# Altium PCB VALVEBOARD_Kun.PcbDoc (part 7 of 13)
Units mil, origin at the board's own origin, x right, y up, seen from the top; angles counter-clockwise.
Board outline 10923.41 x 5583.88 mil, 2 copper layers (Top Layer, Bottom Layer), stack 10.8 mil thick; 1127 components, 626 nets, 3503 pads, 1418 vias.
Unrouted connection lines stored in the file: 1.
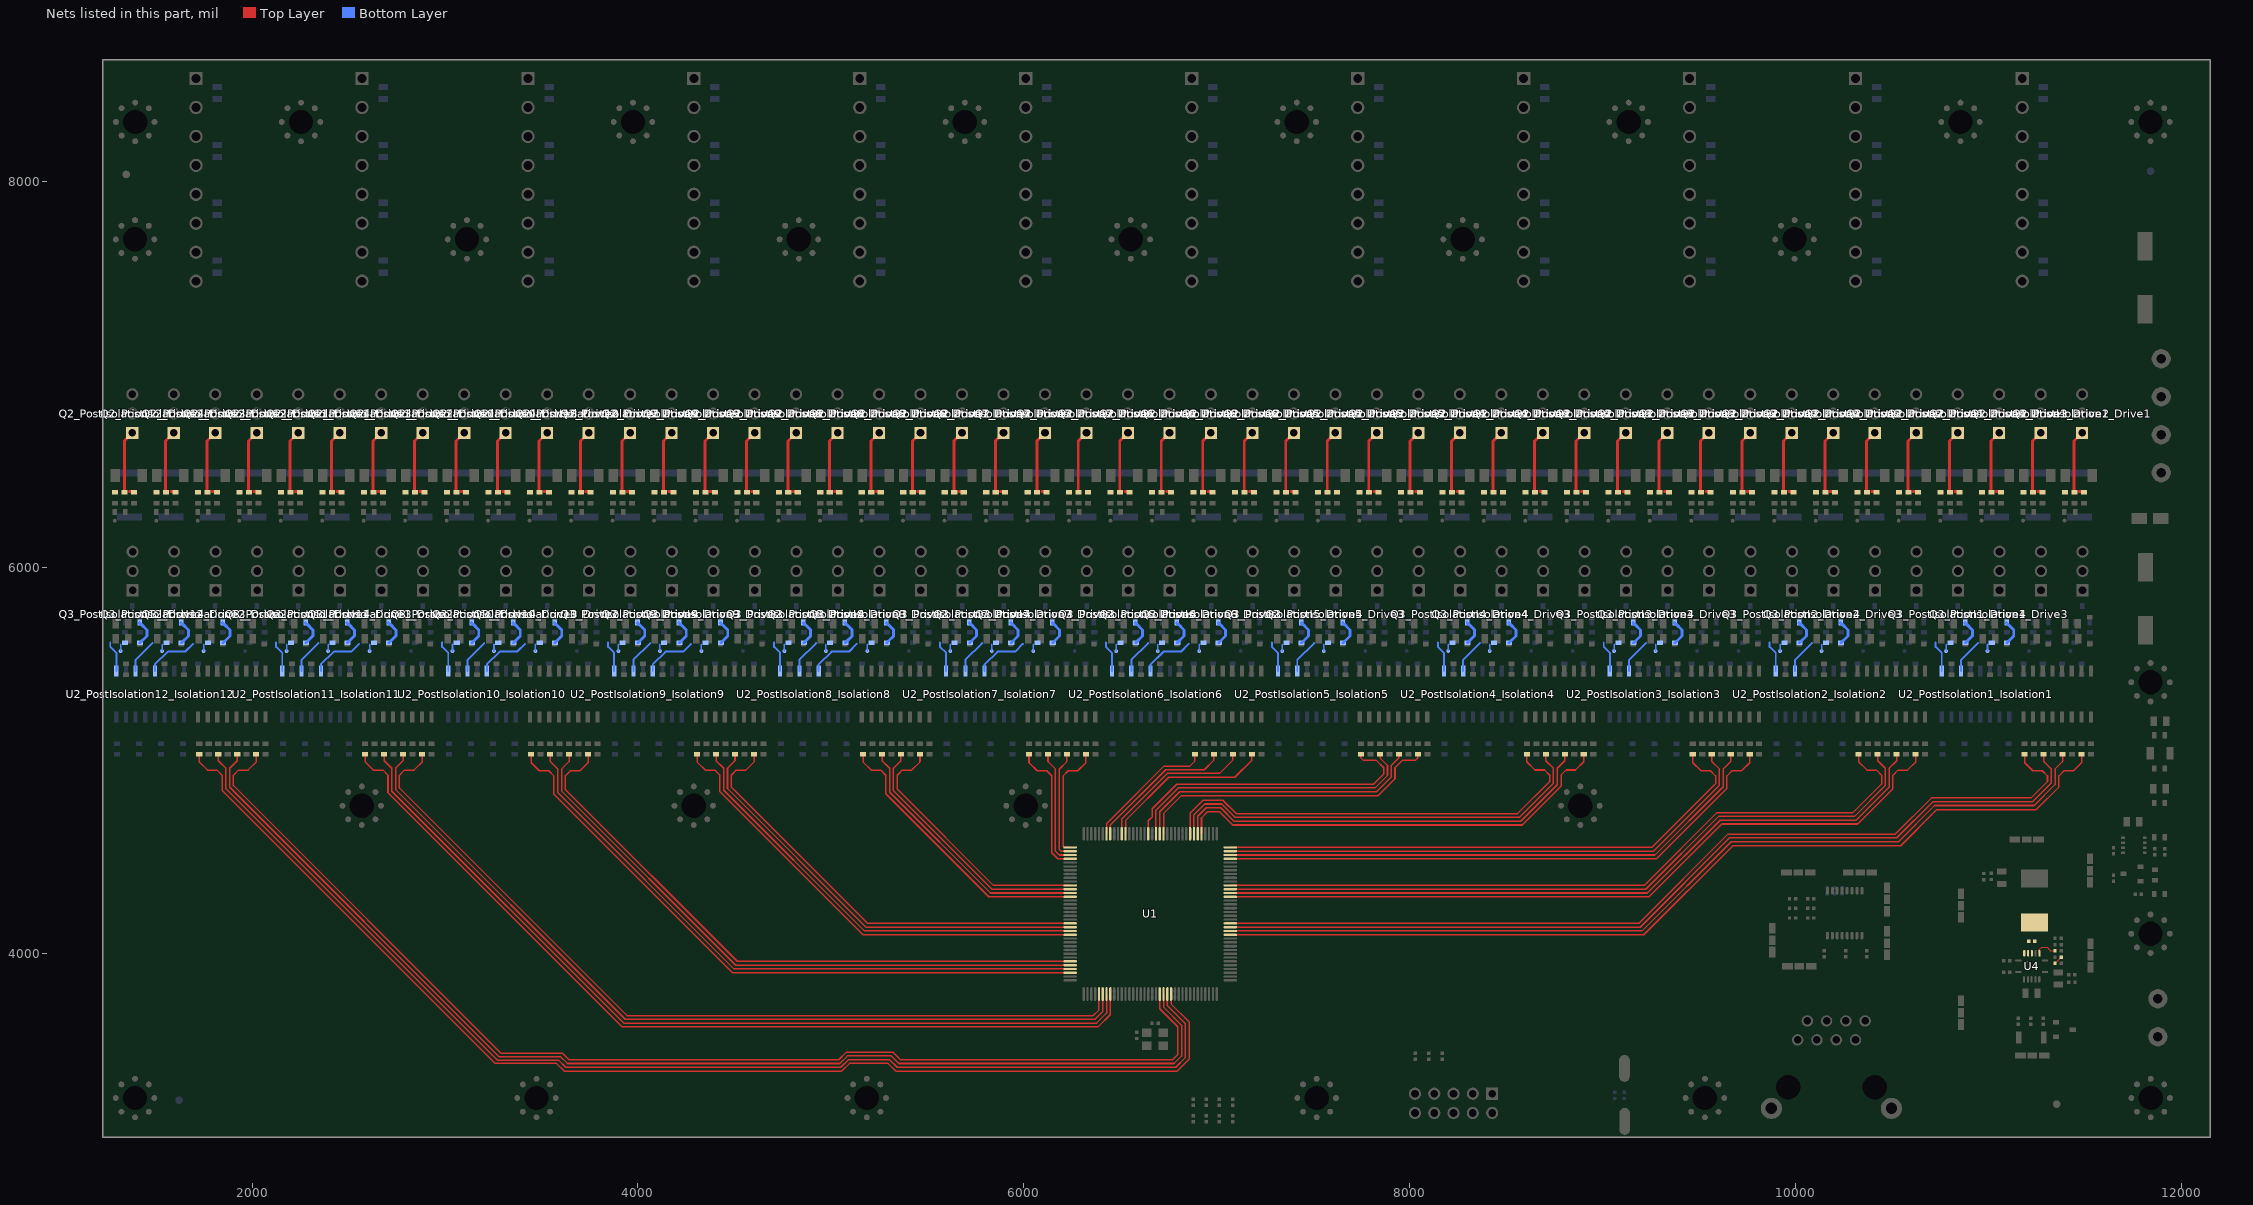
[diagram p7: the nets of this part, all layers, seen from the top]

## Via types
v1: diameter 19.68, hole 11.81, Top Layer to Bottom Layer, tented both sides, 1364 vias
v2: diameter 19.68, hole 11.81, Top Layer to Bottom Layer, 54 vias

## Nets (pads, with @x,y where several pads share a name; then routed paths per layer and width w, separated by ;. In a path a pad name is that pad's centre, name@x,y a point inside that pad or via, vN(x,y) a via of type N, cw(c..) or ccw(c..) an arc to the next point about the centre after c; other vN are vias at no path point) (continued)
IUO2_PostIsolation6: C28_PostIsolation6_Drive2.2 pad.@6909.06,5567.29 Q3_PostIsolation6_Drive2.G R28_PostIsolation6_Drive2.2 U2_PostIsolation6_Isolation6.13 | length 450
  Bottom Layer w8: pad.@6909.06,5567.29 6909.06,5603.12
  Bottom Layer w10: U2_PostIsolation6_Isolation6.13@6656.87,5462.99 6656.87,5497.7 6723.76,5564.59 6815.25,5564.59 ; 6814.96,5564.88 6854.99,5604.92
  Bottom Layer w15: Q3_PostIsolation6_Drive2.G@7007.94,5714.42 7007.94,5710.48 7012.25,5706.17 7016.19,5706.17 7045.34,5677.02 7045.34,5645.62 7014.21,5614.5 C28_PostIsolation6_Drive2.2@7009.9,5610.18
IUO2_PostIsolation7: C28_PostIsolation7_Drive2.2 pad.@6049,5567.29 Q3_PostIsolation7_Drive2.G R28_PostIsolation7_Drive2.2 U2_PostIsolation7_Isolation7.13 | length 450
  Bottom Layer w8: pad.@6049,5567.29 6049,5603.12
  Bottom Layer w10: U2_PostIsolation7_Isolation7.13@5796.81,5462.99 5796.81,5497.7 5863.7,5564.59 5955.19,5564.59 5995.23,5604.62
  Bottom Layer w15: Q3_PostIsolation7_Drive2.G@6147.88,5714.42 6147.88,5710.48 6152.19,5706.17 6156.13,5706.17 6185.28,5677.02 6185.28,5645.62 6154.15,5614.5 C28_PostIsolation7_Drive2.2@6149.84,5610.18
IUO2_PostIsolation8: C28_PostIsolation8_Drive2.2 pad.@5188.94,5567.29 Q3_PostIsolation8_Drive2.G R28_PostIsolation8_Drive2.2 U2_PostIsolation8_Isolation8.13 | length 450
  Bottom Layer w8: pad.@5188.94,5567.29 5188.94,5603.12
  Bottom Layer w10: U2_PostIsolation8_Isolation8.13@4936.75,5462.99 4936.75,5497.7 5003.64,5564.59 5095.13,5564.59 ; 5094.83,5564.88 5134.87,5604.92
  Bottom Layer w15: Q3_PostIsolation8_Drive2.G@5287.82,5714.42 5287.82,5710.48 5292.13,5706.17 5296.06,5706.17 5325.22,5677.02 5325.22,5645.62 5294.09,5614.5 C28_PostIsolation8_Drive2.2@5289.78,5610.18
IUO2_PostIsolation9: C28_PostIsolation9_Drive2.2 pad.@4328.88,5567.29 Q3_PostIsolation9_Drive2.G R28_PostIsolation9_Drive2.2 U2_PostIsolation9_Isolation9.13 | length 450
  Bottom Layer w8: pad.@4328.88,5567.29 4328.88,5603.12
  Bottom Layer w10: U2_PostIsolation9_Isolation9.13@4076.69,5462.99 4076.69,5497.7 4143.58,5564.59 4235.07,5564.59 4275.1,5604.62
  Bottom Layer w15: Q3_PostIsolation9_Drive2.G@4427.76,5714.42 4427.76,5710.48 4432.07,5706.17 4436,5706.17 4465.16,5677.02 4465.16,5645.62 4434.03,5614.49 C28_PostIsolation9_Drive2.2@4429.72,5610.18
IUO2_PostIsolation10: C28_PostIsolation10_Drive2.2 pad.@3468.82,5567.29 Q3_PostIsolation10_Drive2.G R28_PostIsolation10_Drive2.2 U2_PostIsolation10_Isolation10.13 | length 450
  Bottom Layer w8: pad.@3468.82,5567.29 3468.82,5603.12
  Bottom Layer w10: U2_PostIsolation10_Isolation10.13@3216.63,5462.99 3216.63,5497.7 3283.51,5564.59 3375.01,5564.59 ; 3374.71,5564.88 3414.75,5604.92
  Bottom Layer w15: Q3_PostIsolation10_Drive2.G@3567.7,5714.42 3567.7,5710.48 3572.01,5706.17 3575.94,5706.17 3605.1,5677.02 3605.1,5645.62 3573.97,5614.49 C28_PostIsolation10_Drive2.2@3569.66,5610.18
IUO2_PostIsolation11: C28_PostIsolation11_Drive2.2 pad.@2608.76,5567.29 Q3_PostIsolation11_Drive2.G R28_PostIsolation11_Drive2.2 U2_PostIsolation11_Isolation11.13 | length 450
  Bottom Layer w8: pad.@2608.76,5567.29 2608.76,5603.12
  Bottom Layer w10: U2_PostIsolation11_Isolation11.13@2356.57,5462.99 2356.57,5497.7 2423.45,5564.59 2514.95,5564.59 2554.98,5604.62
  Bottom Layer w15: Q3_PostIsolation11_Drive2.G@2707.63,5714.42 2707.63,5710.48 2711.95,5706.17 2715.88,5706.17 2745.03,5677.02 2745.03,5645.62 2713.91,5614.5 C28_PostIsolation11_Drive2.2@2709.59,5610.19
IUO2_PostIsolation12: C28_PostIsolation12_Drive2.2 pad.@1748.7,5567.29 Q3_PostIsolation12_Drive2.G R28_PostIsolation12_Drive2.2 U2_PostIsolation12_Isolation12.13 | length 450
  Bottom Layer w8: pad.@1748.7,5567.29 1748.7,5603.12
  Bottom Layer w10: U2_PostIsolation12_Isolation12.13@1496.51,5462.99 1496.51,5497.7 1563.39,5564.59 1654.89,5564.59 ; 1654.59,5564.88 1694.63,5604.92
  Bottom Layer w15: Q3_PostIsolation12_Drive2.G@1847.57,5714.42 1847.57,5710.48 1851.88,5706.17 1855.82,5706.17 1884.97,5677.02 1884.97,5645.62 1853.85,5614.49 C28_PostIsolation12_Drive2.2@1849.53,5610.18
IUO3_PostIsolation1: C28_PostIsolation1_Drive3.2 pad.@10994.22,5567.29 Q3_PostIsolation1_Drive3.G R28_PostIsolation1_Drive3.2 U2_PostIsolation1_Isolation1.11 | length 353.5
  Bottom Layer w8: pad.@10994.22,5567.29 10994.22,5603.12
  Bottom Layer w10: U2_PostIsolation1_Isolation1.11@10857.18,5462.99 10857.18,5521.12 10944.04,5607.97
  Bottom Layer w15: Q3_PostIsolation1_Drive3.G@11093.1,5714.42 11093.1,5710.48 11097.41,5706.17 11101.35,5706.17 11130.5,5677.02 11130.5,5645.62 C28_PostIsolation1_Drive3.2@11095.06,5610.18
IUO3_PostIsolation2: C28_PostIsolation2_Drive3.2 pad.@10134.29,5567.29 Q3_PostIsolation2_Drive3.G R28_PostIsolation2_Drive3.2 U2_PostIsolation2_Isolation2.11 | length 353.5
  Bottom Layer w8: pad.@10134.29,5567.29 10134.29,5603.12
  Bottom Layer w10: U2_PostIsolation2_Isolation2.11@9997.06,5463.01 9997.06,5521.14 10083.92,5607.99
  Bottom Layer w15: Q3_PostIsolation2_Drive3.G@10233.17,5714.42 10233.17,5710.48 10237.48,5706.17 10241.41,5706.17 10270.57,5677.02 10270.57,5645.62 C28_PostIsolation2_Drive3.2@10235.13,5610.18
IUO3_PostIsolation3: C28_PostIsolation3_Drive3.2 pad.@9274.23,5567.29 Q3_PostIsolation3_Drive3.G R28_PostIsolation3_Drive3.2 U2_PostIsolation3_Isolation3.11 | length 353.5
  Bottom Layer w8: pad.@9274.23,5567.29 9274.23,5603.12
  Bottom Layer w10: U2_PostIsolation3_Isolation3.11@9137,5463.01 9137,5521.14 9223.86,5607.99
  Bottom Layer w15: Q3_PostIsolation3_Drive3.G@9373.11,5714.42 9373.11,5710.48 9377.42,5706.17 9381.35,5706.17 9410.51,5677.02 9410.51,5645.62 9379.38,5614.5 C28_PostIsolation3_Drive3.2@9375.07,5610.18
IUO3_PostIsolation4: C28_PostIsolation4_Drive3.2 pad.@8414.17,5567.29 Q3_PostIsolation4_Drive3.G R28_PostIsolation4_Drive3.2 U2_PostIsolation4_Isolation4.11 | length 353.5
  Bottom Layer w8: pad.@8414.17,5567.29 8414.17,5603.12
  Bottom Layer w10: U2_PostIsolation4_Isolation4.11@8276.99,5463.44 8276.99,5521.56 8363.85,5608.42
  Bottom Layer w15: Q3_PostIsolation4_Drive3.G@8513.04,5714.42 8513.04,5710.48 8517.36,5706.17 8521.29,5706.17 8550.44,5677.02 8550.44,5645.62 C28_PostIsolation4_Drive3.2@8515.01,5610.18
IUO3_PostIsolation5: C28_PostIsolation5_Drive3.2 pad.@7554.11,5567.29 Q3_PostIsolation5_Drive3.G R28_PostIsolation5_Drive3.2 U2_PostIsolation5_Isolation5.11 | length 353.5
  Bottom Layer w8: pad.@7554.11,5567.29 7554.11,5603.12
  Bottom Layer w10: U2_PostIsolation5_Isolation5.11@7416.93,5462.99 7416.93,5521.12 7503.79,5607.97
  Bottom Layer w15: Q3_PostIsolation5_Drive3.G@7652.98,5714.42 7652.98,5710.48 7657.3,5706.17 7661.23,5706.17 7690.38,5677.02 7690.38,5645.62 7659.26,5614.5 C28_PostIsolation5_Drive3.2@7654.94,5610.18
IUO3_PostIsolation6: C28_PostIsolation6_Drive3.2 pad.@6694.05,5567.29 Q3_PostIsolation6_Drive3.G R28_PostIsolation6_Drive3.2 U2_PostIsolation6_Isolation6.11 | length 353.5
  Bottom Layer w8: pad.@6694.05,5567.29 6694.05,5603.12
  Bottom Layer w10: U2_PostIsolation6_Isolation6.11@6556.87,5462.99 6556.87,5521.12 6643.73,5607.97
  Bottom Layer w15: Q3_PostIsolation6_Drive3.G@6792.92,5714.42 6792.92,5710.48 6797.23,5706.17 6801.17,5706.17 6830.32,5677.02 6830.32,5645.62 C28_PostIsolation6_Drive3.2@6794.88,5610.18
IUO3_PostIsolation7: C28_PostIsolation7_Drive3.2 pad.@5833.99,5567.29 Q3_PostIsolation7_Drive3.G R28_PostIsolation7_Drive3.2 U2_PostIsolation7_Isolation7.11 | length 353.5
  Bottom Layer w8: pad.@5833.99,5567.29 5833.99,5603.12
  Bottom Layer w10: U2_PostIsolation7_Isolation7.11@5696.81,5462.99 5696.81,5521.12 5783.67,5607.97
  Bottom Layer w15: Q3_PostIsolation7_Drive3.G@5932.86,5714.42 5932.86,5710.48 5937.17,5706.17 5941.11,5706.17 5970.26,5677.02 5970.26,5645.62 5939.13,5614.5 C28_PostIsolation7_Drive3.2@5934.82,5610.18
IUO3_PostIsolation8: C28_PostIsolation8_Drive3.2 pad.@4973.93,5567.29 Q3_PostIsolation8_Drive3.G R28_PostIsolation8_Drive3.2 U2_PostIsolation8_Isolation8.11 | length 353.5
  Bottom Layer w8: pad.@4973.93,5567.29 4973.93,5603.12
  Bottom Layer w10: U2_PostIsolation8_Isolation8.11@4836.75,5462.99 4836.75,5521.12 4923.61,5607.97
  Bottom Layer w15: Q3_PostIsolation8_Drive3.G@5072.8,5714.42 5072.8,5710.48 5077.11,5706.17 5081.05,5706.17 5110.2,5677.02 5110.2,5645.62 C28_PostIsolation8_Drive3.2@5074.76,5610.18
IUO3_PostIsolation9: C28_PostIsolation9_Drive3.2 pad.@4113.87,5567.29 Q3_PostIsolation9_Drive3.G R28_PostIsolation9_Drive3.2 U2_PostIsolation9_Isolation9.11 | length 353.5
  Bottom Layer w8: pad.@4113.87,5567.29 4113.87,5603.12
  Bottom Layer w10: U2_PostIsolation9_Isolation9.11@3976.69,5462.99 3976.69,5521.12 4063.55,5607.97
  Bottom Layer w15: Q3_PostIsolation9_Drive3.G@4212.74,5714.42 4212.74,5710.48 4217.05,5706.17 4220.99,5706.17 4250.14,5677.02 4250.14,5645.62 4219.01,5614.49 C28_PostIsolation9_Drive3.2@4214.7,5610.18
IUO3_PostIsolation10: C28_PostIsolation10_Drive3.2 pad.@3253.81,5567.29 Q3_PostIsolation10_Drive3.G R28_PostIsolation10_Drive3.2 U2_PostIsolation10_Isolation10.11 | length 353.5
  Bottom Layer w8: pad.@3253.81,5567.29 3253.81,5603.12
  Bottom Layer w10: U2_PostIsolation10_Isolation10.11@3116.63,5462.99 3116.63,5521.11 3203.48,5607.97
  Bottom Layer w15: Q3_PostIsolation10_Drive3.G@3352.68,5714.42 3352.68,5710.48 3356.99,5706.17 3360.93,5706.17 3390.08,5677.02 3390.08,5645.62 C28_PostIsolation10_Drive3.2@3354.64,5610.18
IUO3_PostIsolation11: C28_PostIsolation11_Drive3.2 pad.@2393.75,5567.29 Q3_PostIsolation11_Drive3.G R28_PostIsolation11_Drive3.2 U2_PostIsolation11_Isolation11.11 | length 353.5
  Bottom Layer w8: pad.@2393.75,5567.29 2393.75,5603.12
  Bottom Layer w10: U2_PostIsolation11_Isolation11.11@2256.57,5462.99 2256.57,5521.12 2343.42,5607.97
  Bottom Layer w15: Q3_PostIsolation11_Drive3.G@2492.62,5714.42 2492.62,5710.48 2496.93,5706.17 2500.87,5706.17 2530.02,5677.02 2530.02,5645.62 2498.89,5614.5 C28_PostIsolation11_Drive3.2@2494.58,5610.19
IUO3_PostIsolation12: C28_PostIsolation12_Drive3.2 pad.@1533.68,5567.29 Q3_PostIsolation12_Drive3.G R28_PostIsolation12_Drive3.2 U2_PostIsolation12_Isolation12.11 | length 353.5
  Bottom Layer w8: pad.@1533.68,5567.29 1533.68,5603.12
  Bottom Layer w10: U2_PostIsolation12_Isolation12.11@1396.51,5462.99 1396.51,5521.12 1483.36,5607.97
  Bottom Layer w15: Q3_PostIsolation12_Drive3.G@1632.56,5714.42 1632.56,5710.48 1636.87,5706.17 1640.81,5706.17 1669.96,5677.02 1669.96,5645.62 C28_PostIsolation12_Drive3.2@1634.52,5610.18
IUO4_PostIsolation1: C28_PostIsolation1_Drive4.2 pad.@10779.45,5567.29 Q3_PostIsolation1_Drive4.G R28_PostIsolation1_Drive4.2 U2_PostIsolation1_Isolation1.9 | length 333.4
  Bottom Layer w8: pad.@10779.45,5567.29 10779.45,5603.12
  Bottom Layer w10: 10725.61,5610.73 10725.61,5588.93 10757.18,5557.36 U2_PostIsolation1_Isolation1.9@10757.18,5462.99
  Bottom Layer w15: Q3_PostIsolation1_Drive4.G@10878.32,5714.42 10878.32,5710.48 10882.63,5706.17 10886.57,5706.17 10915.72,5677.02 10915.72,5645.62 C28_PostIsolation1_Drive4.2@10880.28,5610.18
IUO4_PostIsolation2: C28_PostIsolation2_Drive4.2 pad.@9919.28,5567.29 Q3_PostIsolation2_Drive4.G R28_PostIsolation2_Drive4.2 U2_PostIsolation2_Isolation2.9 | length 334.1
  Bottom Layer w8: pad.@9919.28,5567.29 9919.28,5603.12
  Bottom Layer w10: 9865.44,5611.48 9865.49,5611.44 9865.49,5588.95 9897.06,5557.38 U2_PostIsolation2_Isolation2.9@9897.06,5463.01
  Bottom Layer w15: Q3_PostIsolation2_Drive4.G@10018.15,5714.42 10018.15,5710.48 10022.46,5706.17 10026.4,5706.17 10055.55,5677.02 10055.55,5645.62 C28_PostIsolation2_Drive4.2@10020.11,5610.18
IUO4_PostIsolation3: C28_PostIsolation3_Drive4.2 pad.@9059.22,5567.29 Q3_PostIsolation3_Drive4.G R28_PostIsolation3_Drive4.2 U2_PostIsolation3_Isolation3.9 | length 334
  Bottom Layer w8: pad.@9059.22,5567.29 9059.22,5603.12
  Bottom Layer w10: 9005.43,5611.44 9005.43,5588.95 9037,5557.38 U2_PostIsolation3_Isolation3.9@9037,5463.01
  Bottom Layer w15: Q3_PostIsolation3_Drive4.G@9158.09,5714.42 9158.09,5710.48 9162.4,5706.17 9166.34,5706.17 9195.49,5677.02 9195.49,5645.62 9164.36,5614.5 C28_PostIsolation3_Drive4.2@9160.05,5610.18
IUO4_PostIsolation4: C28_PostIsolation4_Drive4.2 pad.@8199.16,5567.73 Q3_PostIsolation4_Drive4.G R28_PostIsolation4_Drive4.2 U2_PostIsolation4_Isolation4.9 | length 334.1
  Bottom Layer w8: pad.@8199.16,5567.73 8199.16,5603.57
  Bottom Layer w10: 8145.32,5611.93 8145.37,5611.88 8145.37,5589.4 ; 8145.42,5589.38 8176.99,5557.8 U2_PostIsolation4_Isolation4.9@8176.99,5463.44
  Bottom Layer w15: Q3_PostIsolation4_Drive4.G@8298.03,5714.86 8298.03,5710.93 8302.34,5706.61 8306.28,5706.61 8335.43,5677.46 8335.43,5646.07 C28_PostIsolation4_Drive4.2@8299.99,5610.63
IUO4_PostIsolation5: C28_PostIsolation5_Drive4.2 pad.@7339.1,5567.29 Q3_PostIsolation5_Drive4.G R28_PostIsolation5_Drive4.2 U2_PostIsolation5_Isolation5.9 | length 334.1
  Bottom Layer w8: pad.@7339.1,5567.29 7339.1,5603.12
  Bottom Layer w10: 7285.31,5588.93 7285.31,5611.44 ; 7285.36,5588.93 7316.93,5557.36 U2_PostIsolation5_Isolation5.9@7316.93,5462.99
  Bottom Layer w15: Q3_PostIsolation5_Drive4.G@7437.97,5714.42 7437.97,5710.48 7442.28,5706.17 7446.22,5706.17 7475.37,5677.02 7475.37,5645.62 7444.24,5614.5 C28_PostIsolation5_Drive4.2@7439.93,5610.18
IUO4_PostIsolation6: C28_PostIsolation6_Drive4.2 pad.@6479.03,5567.29 Q3_PostIsolation6_Drive4.G R28_PostIsolation6_Drive4.2 U2_PostIsolation6_Isolation6.9 | length 334.1
  Bottom Layer w8: pad.@6479.03,5567.29 6479.03,5603.12
  Bottom Layer w10: 6425.01,5589.23 6456.58,5557.65 ; 6425.2,5611.48 6425.24,5611.44 6425.24,5588.95 ; U2_PostIsolation6_Isolation6.9@6456.87,5462.99 6456.87,5557.36
  Bottom Layer w15: Q3_PostIsolation6_Drive4.G@6577.91,5714.42 6577.91,5710.48 6582.22,5706.17 6586.16,5706.17 6615.31,5677.02 6615.31,5645.62 C28_PostIsolation6_Drive4.2@6579.87,5610.18
IUO4_PostIsolation7: C28_PostIsolation7_Drive4.2 pad.@5618.97,5567.29 Q3_PostIsolation7_Drive4.G R28_PostIsolation7_Drive4.2 U2_PostIsolation7_Isolation7.9 | length 334.1
  Bottom Layer w8: pad.@5618.97,5567.29 5618.97,5603.12
  Bottom Layer w10: 5565.18,5588.93 5565.18,5611.44 ; 5565.24,5588.93 5596.81,5557.36 U2_PostIsolation7_Isolation7.9@5596.81,5462.99
  Bottom Layer w15: Q3_PostIsolation7_Drive4.G@5717.85,5714.42 5717.85,5710.48 5722.16,5706.17 5726.1,5706.17 5755.25,5677.02 5755.25,5645.62 5724.12,5614.5 C28_PostIsolation7_Drive4.2@5719.81,5610.18
IUO4_PostIsolation8: C28_PostIsolation8_Drive4.2 pad.@4758.91,5567.29 Q3_PostIsolation8_Drive4.G R28_PostIsolation8_Drive4.2 U2_PostIsolation8_Isolation8.9 | length 334.1
  Bottom Layer w8: pad.@4758.91,5567.29 4758.91,5603.12
  Bottom Layer w10: 4705.08,5611.48 4705.12,5611.44 4705.12,5588.99 4736.75,5557.36 U2_PostIsolation8_Isolation8.9@4736.75,5462.99
  Bottom Layer w15: Q3_PostIsolation8_Drive4.G@4857.79,5714.42 4857.79,5710.48 4862.1,5706.17 4866.03,5706.17 4895.19,5677.02 4895.19,5645.62 C28_PostIsolation8_Drive4.2@4859.75,5610.18
IUO4_PostIsolation9: C28_PostIsolation9_Drive4.2 pad.@3898.85,5567.29 Q3_PostIsolation9_Drive4.G R28_PostIsolation9_Drive4.2 U2_PostIsolation9_Isolation9.9 | length 334.1
  Bottom Layer w8: pad.@3898.85,5567.29 3898.85,5603.12
  Bottom Layer w10: 3845.06,5588.93 3845.06,5611.44 ; 3845.12,5588.93 3876.69,5557.36 U2_PostIsolation9_Isolation9.9@3876.69,5462.99
  Bottom Layer w15: Q3_PostIsolation9_Drive4.G@3997.73,5714.42 3997.73,5710.48 4002.04,5706.17 4005.97,5706.17 4035.13,5677.02 4035.13,5645.62 4004,5614.49 C28_PostIsolation9_Drive4.2@3999.69,5610.18
IUO4_PostIsolation10: C28_PostIsolation10_Drive4.2 pad.@3038.79,5567.29 Q3_PostIsolation10_Drive4.G R28_PostIsolation10_Drive4.2 U2_PostIsolation10_Isolation10.9 | length 334.1
  Bottom Layer w8: pad.@3038.79,5567.29 3038.79,5603.12
  Bottom Layer w10: 2984.96,5611.48 2985,5611.44 2985,5588.99 3016.63,5557.36 U2_PostIsolation10_Isolation10.9@3016.63,5462.99
  Bottom Layer w15: Q3_PostIsolation10_Drive4.G@3137.66,5714.42 3137.66,5710.48 3141.98,5706.17 3145.91,5706.17 3175.06,5677.02 3175.06,5645.62 C28_PostIsolation10_Drive4.2@3139.63,5610.18
IUO4_PostIsolation11: C28_PostIsolation11_Drive4.2 pad.@2178.73,5567.29 Q3_PostIsolation11_Drive4.G R28_PostIsolation11_Drive4.2 U2_PostIsolation11_Isolation11.9 | length 334.1
  Bottom Layer w8: pad.@2178.73,5567.29 2178.73,5603.12
  Bottom Layer w10: 2124.94,5588.93 2124.94,5611.44 ; 2125,5588.93 2156.57,5557.36 U2_PostIsolation11_Isolation11.9@2156.57,5462.99
  Bottom Layer w15: Q3_PostIsolation11_Drive4.G@2277.6,5714.42 2277.6,5710.48 2281.91,5706.17 2285.85,5706.17 2315,5677.02 2315,5645.62 2283.88,5614.5 C28_PostIsolation11_Drive4.2@2279.56,5610.19
IUO4_PostIsolation12: C28_PostIsolation12_Drive4.2 pad.@1318.67,5567.29 Q3_PostIsolation12_Drive4.G R28_PostIsolation12_Drive4.2 U2_PostIsolation12_Isolation12.9 | length 334.1
  Bottom Layer w8: pad.@1318.67,5567.29 1318.67,5603.12
  Bottom Layer w10: 1264.84,5611.48 1264.88,5611.44 1264.88,5588.98 1296.51,5557.36 U2_PostIsolation12_Isolation12.9@1296.51,5462.99
  Bottom Layer w15: Q3_PostIsolation12_Drive4.G@1417.54,5714.42 1417.54,5710.48 1421.85,5706.17 1425.79,5706.17 1454.94,5677.02 1454.94,5645.62 C28_PostIsolation12_Drive4.2@1419.5,5610.18
LO1_1: R21_PostIsolation1_Isolation1.1 U1.49 | length 4854.5
  Top Layer w8: U1.49@7070.35,4096.73 9213.29,4096.73 9674.95,4558.39 10544.57,4558.39 10730.33,4744.15 11245.63,4744.15 11364.26,4862.77 11364.26,4920.11 11390.45,4946.3 11439.8,4946.3 11482.09,4988.59 R21_PostIsolation1_Isolation1.1@11482.09,5028.31
LO1_2: R21_PostIsolation2_Isolation2.1 U1.59 | length 3922.3
  Top Layer w8: U1.59@7070.35,4293.58 9239.67,4293.58 9616.89,4670.8 10321.58,4670.8 10504.17,4853.39 10504.17,4924.1 10530.36,4950.3 10579.71,4950.3 10622,4992.59 R21_PostIsolation2_Isolation2.1@10622,5032.31
LO1_3: R21_PostIsolation3_Isolation3.1 U1.69 | length 2975.4
  Top Layer w8: U1.69@7070.35,4490.43 9278.95,4490.43 9644.07,4855.56 9644.07,4920.13 9670.27,4946.32 9719.61,4946.32 9761.91,4988.61 R21_PostIsolation3_Isolation3.1@9761.91,5028.33
LO1_4: R21_PostIsolation4_Isolation4.1 U1.77 | length 2315.1
  Top Layer w8: U1.77@6920.75,4620.35 6920.75,4702.44 6953.43,4735.12 7012.72,4735.12 7082.22,4665.63 8583.5,4665.63 8784.1,4866.23 8784.1,4924.53 8810.3,4950.72 8859.64,4950.72 8901.94,4993.02 R21_PostIsolation4_Isolation4.1@8901.94,5032.74
LO1_5: R21_PostIsolation5_Isolation5.1 U1.87 | length 1593.9
  Top Layer w8: U1.87@6723.9,4620.35 6723.9,4725.78 6816.5,4818.38 7836.33,4818.38 7923.61,4905.66 7923.61,4962.31 7961.57,5000.26 8028.54,5000.26 8041.44,5013.17 R21_PostIsolation5_Isolation5.1@8041.44,5031.86
LO1_6: R21_PostIsolation6_Isolation6.1 U1.97 | length 883.6
  Top Layer w8: U1.97@6527.05,4620.35 6527.05,4689.2 6750.95,4913.1 7093.09,4913.1 7181.81,5001.83 R21_PostIsolation6_Isolation6.1@7181.81,5032.29
LO1_7: R21_PostIsolation7_Isolation7.1 U1.109 | length 589.4
  Top Layer w8: U1.109@6239.65,4549.49 6209.77,4549.49 6203.18,4556.08 6203.18,4919.4 6230.08,4946.3 6279.42,4946.3 6321.72,4988.59 R21_PostIsolation7_Isolation7.1@6321.72,5028.31
LO1_8: R21_PostIsolation8_Isolation8.1 U1.119 | length 1360.7
  Top Layer w8: R21_PostIsolation8_Isolation8.1@5461.69,5032.29 5461.69,4992.57 5419.4,4950.28 5370.05,4950.28 5343.86,4924.08 5343.86,4851.86 5843.08,4352.64 U1.119@6239.65,4352.64
LO1_9: R21_PostIsolation9_Isolation9.1 U1.129 | length 2296
  Top Layer w8: R21_PostIsolation9_Isolation9.1@4601.63,5032.29 4601.63,4992.57 4559.34,4950.28 4509.99,4950.28 4483.8,4924.08 4483.8,4862.62 5190.63,4155.79 U1.129@6239.65,4155.79
LO1_10: R21_PostIsolation10_Isolation10.1 U1.139 | length 3241.2
  Top Layer w8: R21_PostIsolation10_Isolation10.1@3741.54,5028.31 3741.54,4988.59 3699.24,4946.3 3649.9,4946.3 3623.7,4920.11 3623.7,4849.77 4514.53,3958.94 U1.139@6239.65,3958.94
LO1_11: R21_PostIsolation11_Isolation11.1 U1.5 | length 4461.1
  Top Layer w8: R21_PostIsolation11_Isolation11.1@2881.51,5032.29 2881.51,4992.57 2839.22,4950.28 2789.87,4950.28 2763.68,4924.09 2763.68,4857.25 3942.71,3678.22 6360.24,3678.22 6389.25,3707.23 U1.5@6389.25,3789.65
LO1_12: R21_PostIsolation12_Isolation12.1 U1.21 | length 6119
  Top Layer w8: R21_PostIsolation12_Isolation12.1@2021.45,5032.29 2021.45,4992.57 1979.16,4950.28 1929.81,4950.28 1903.62,4924.09 1903.62,4869.8 3290.53,3482.88 3608.59,3482.88 3642.29,3449.18 5040.64,3449.18 5080.22,3488.76 5320.63,3488.76 5360.2,3449.18 6770.49,3449.18 6797.99,3476.68 6797.99,3619.78 6704.21,3713.56 U1.21@6704.21,3789.65